# Altium PCB Arduino_DUE_V02c.PcbDoc
Units mil, origin at the board's own origin, x right, y up, seen from the top; angles counter-clockwise.
Board outline 3937.01 x 2086.61 mil, 2 copper layers (Top Layer, Bottom Layer); 79 components, 131 nets, 304 pads, 46 vias.
Unrouted connection lines stored in the file: 9.
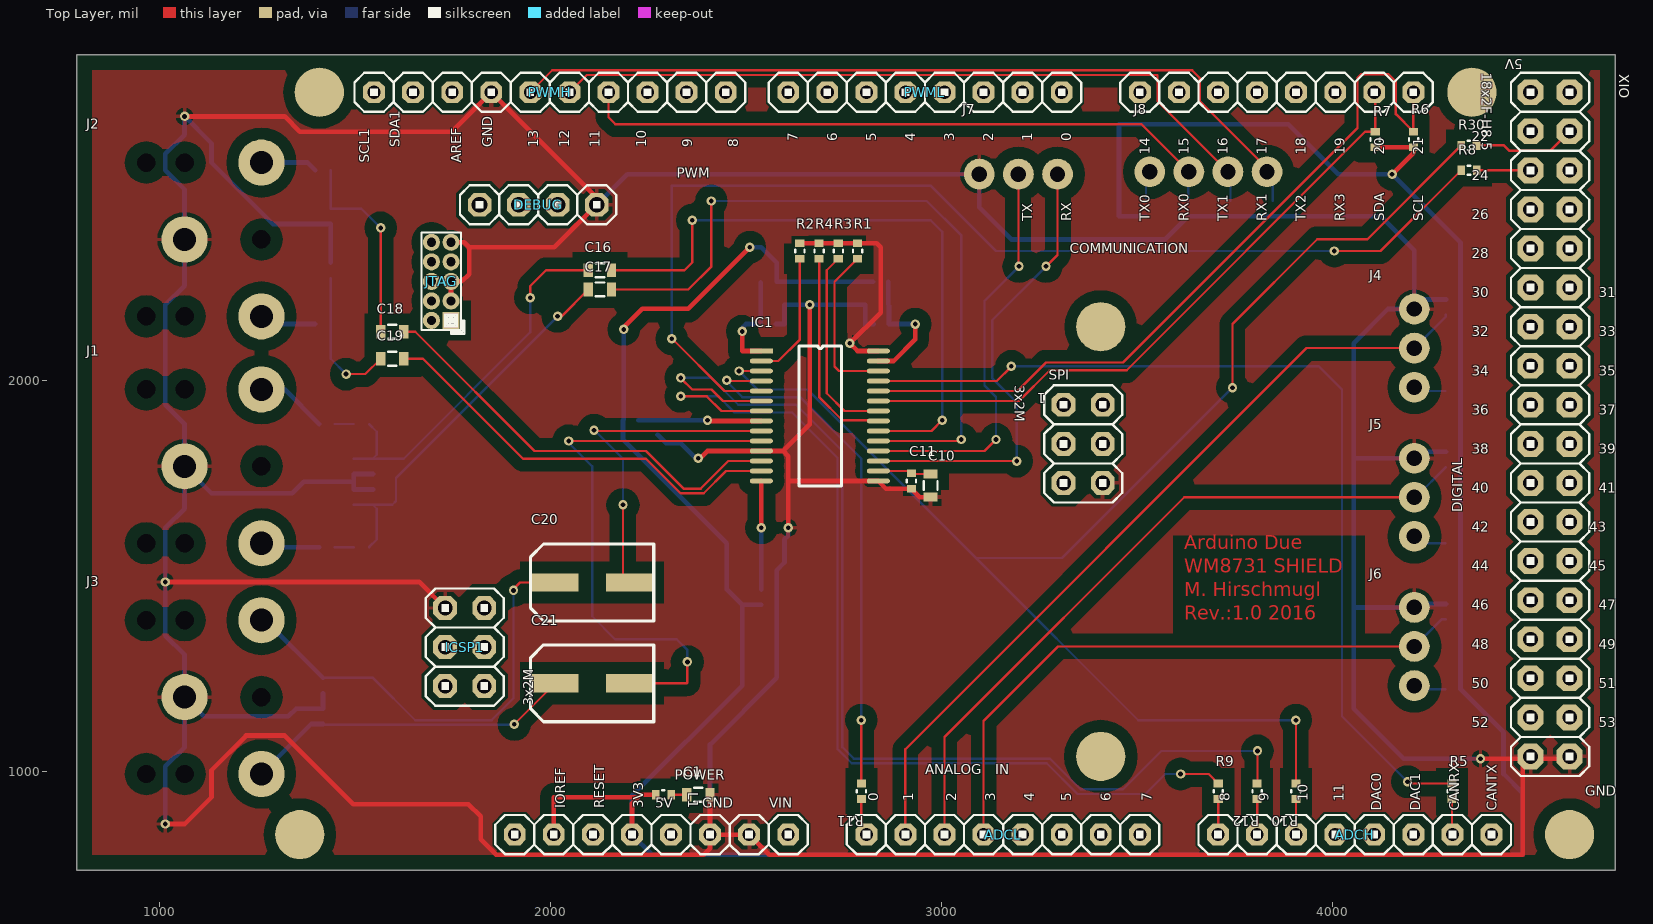
[diagram p0: Top Layer view]
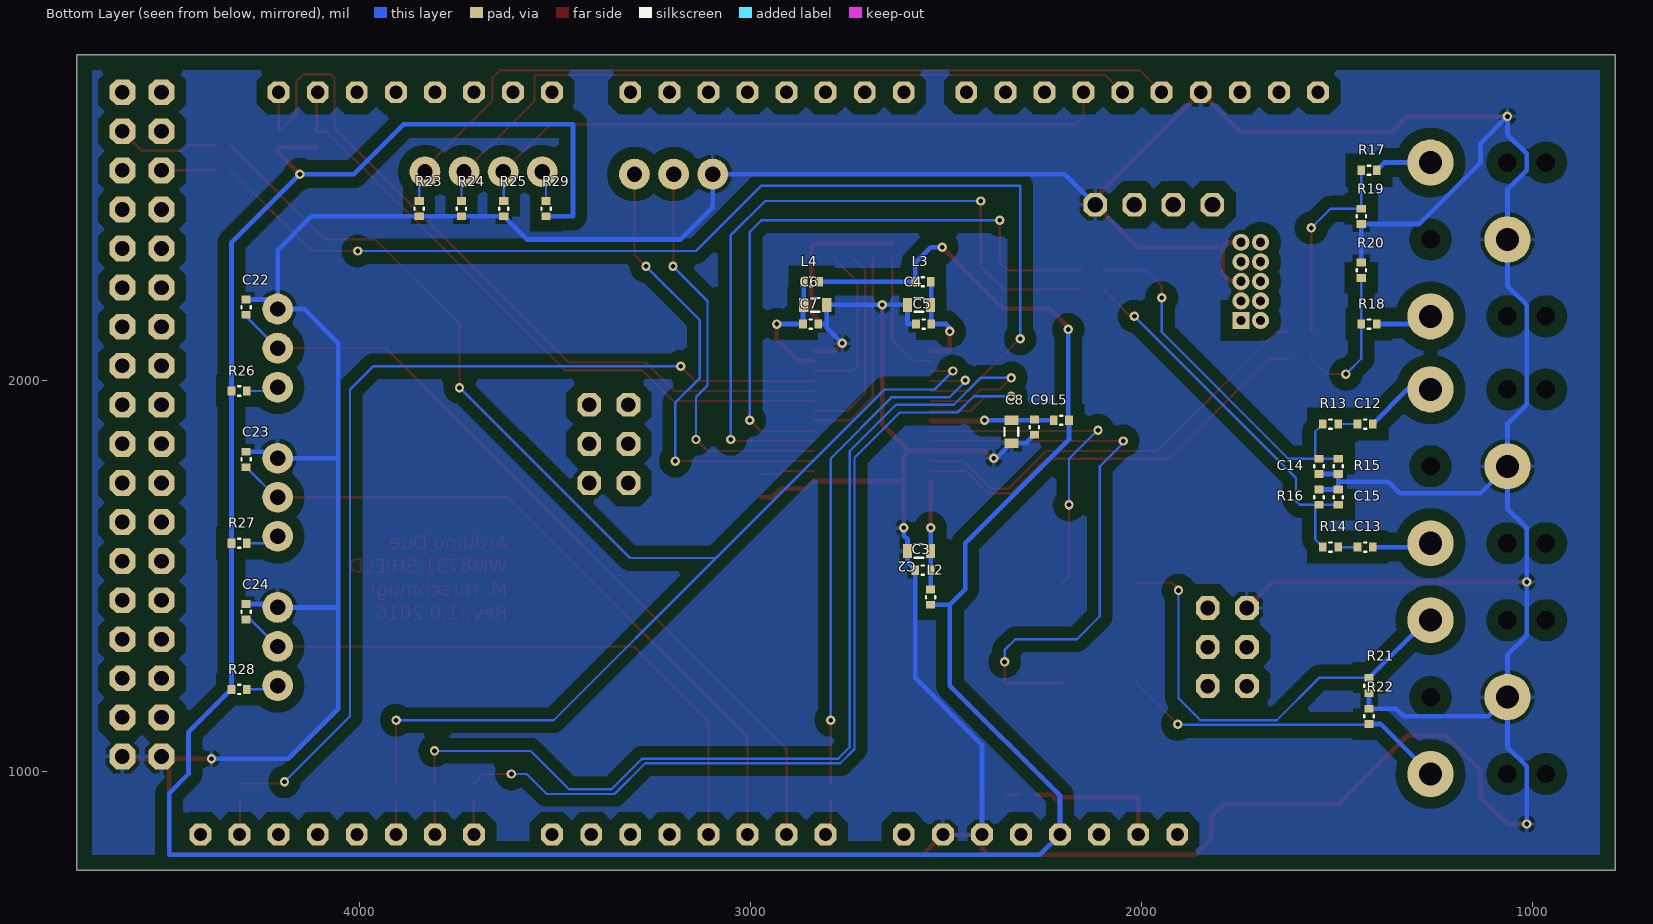
[diagram p1: Bottom Layer view, seen from below]
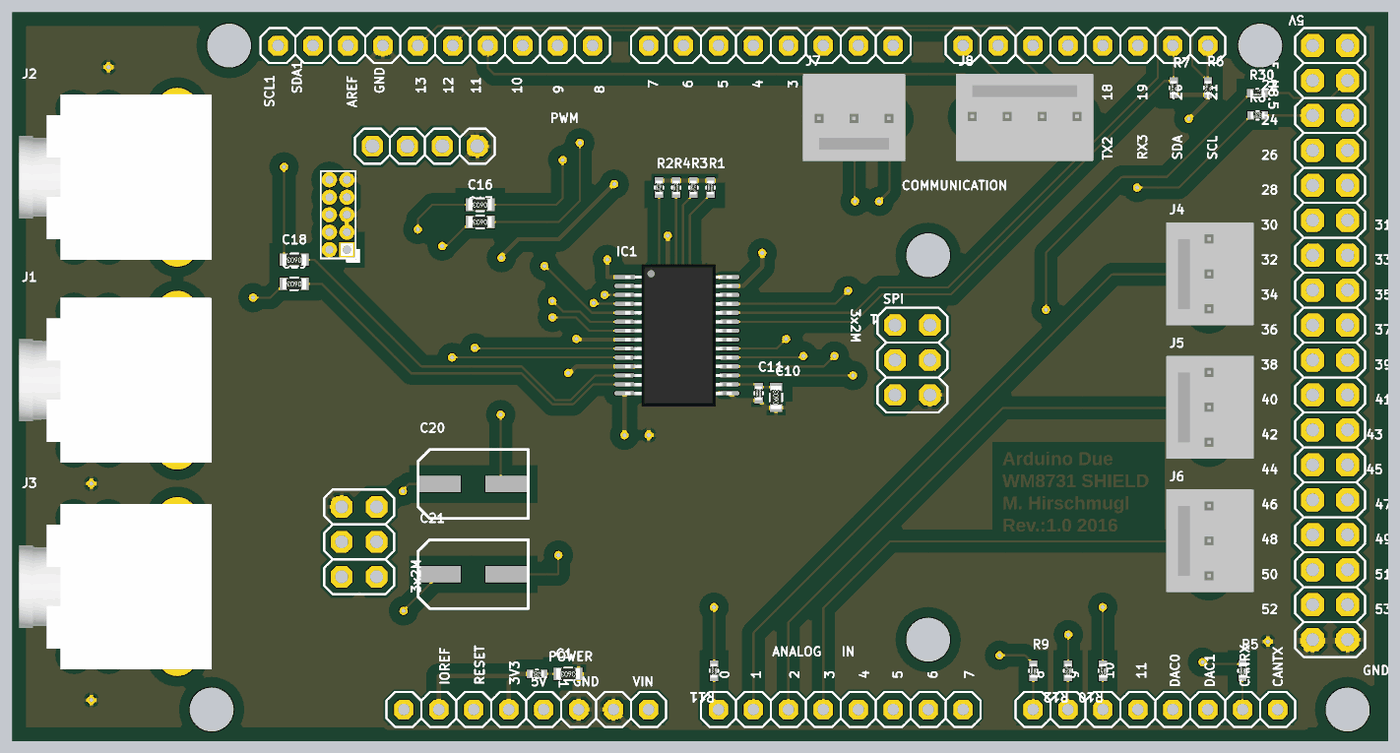
[diagram p2: 3D render of the assembled board from above, using the file's embedded part models]
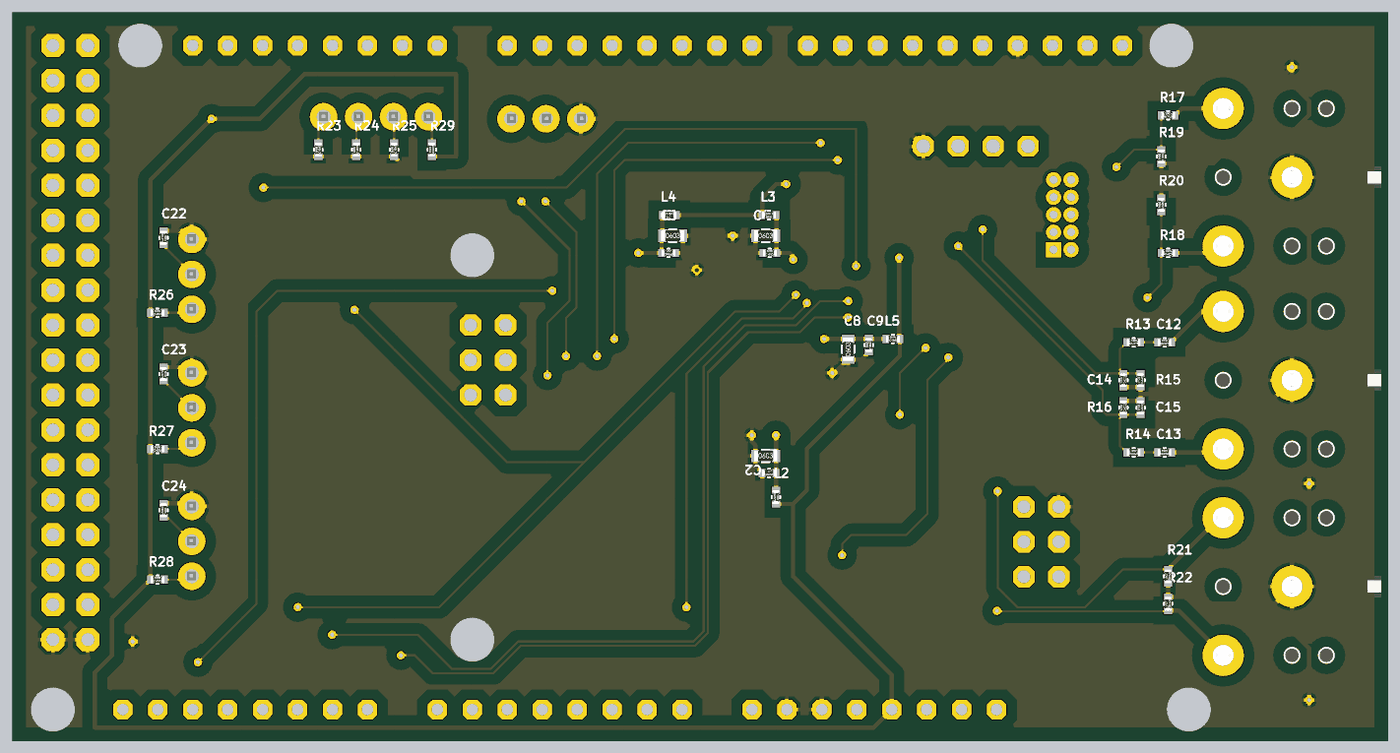
[diagram p3: 3D render of the assembled board from below, using the file's embedded part models]

## Layer stack, top to bottom
Top Layer: signal copper 1.4
Dielectric1: core 12.6, FR-4, Dk 4.8
Bottom Layer: signal copper 1.4

## Board outline
787.4,748.03 4724.41,748.03 4724.41,2834.65 787.4,2834.65

## Design rules (kind name [scope] priority, off if disabled: settings)
Clearance "Clearance GND Plane" [All] p1: gap=30
Clearance [All] p2: gap=6
ComponentClearance [All] p1: gap=12 collisioncheckmode=3 verticalgap=12 showdistances=FALSE
DiffPairsRouting [All] p1: maxlimit=393.7 minlimit=4.92 mostfreqgap=5.91 toplayer_minwidth=15 toplayer_maxwidth=15 toplayer_prefwidth=15 bottomlayer_minwidth=15 bottomlayer_maxwidth=15 bottomlayer_prefwidth=15 maxuncoupledlength=500
FabricationTestPointUsage FabricationTestPointUsage_1 [All] p1: valid=0 allowmultiple=FALSE
FabricationTestpoint FabricationTestpoint_1 [All] p1: side=3 testpointundercomponent=TRUE minsize=40 maxsize=100 preferedsize=60 minholesize=0 maxholesize=40 preferedholesize=32 testpointgrid=1 allowsidetop=TRUE allowsidebottom=TRUE usegrid=TRUE gridtolerance=0.01
HoleSize [All] p1: absolutevalues=TRUE maxlimit=236.22 minlimit=12 maxpercent=80.000 minpercent=20.000
HoleSize FabricationTestpoint [All] p2 off: absolutevalues=TRUE maxlimit=100 minlimit=1 maxpercent=80.000 minpercent=20.000
HoleSize FabricationTestPointUsage [All] p3 off: absolutevalues=TRUE maxlimit=100 minlimit=1 maxpercent=80.000 minpercent=20.000
HoleToHoleClearance [All] p1: gap=12 allowstackedmicrovias=TRUE
PlaneConnect [All] p1: planeconnectstyle=Relief reliefexpansion=16 reliefentries=4 reliefconductorwidth=10 reliefairgap=10
PolygonConnect [All] p1: connectstyle=Relief reliefconductorwidth=10 reliefentries=4 polygonreliefangle="90 Angle" airgapwidth=10
RoutingCorners [All] p1: cornerstyle=45-Degree minsetback=49.21 maxsetback=49.21
RoutingVias [All] p1: holewidth=12 width=24 viastyle="Through Hole" minholewidth=12 minwidth=24 maxholewidth=12 maxwidth=24
SolderMaskExpansion [All] p1: expansion=2.95
Width "Power Nets" [(InNet('1_DBVDD') OR InNet('+3V3') OR InNet('+5V') OR InNet('8_HPVDD') OR InNet('11_HPGND') OR InNet('14_AVDD') OR InNet('27_DCVDD'))] p1: maxlimit=12 minlimit=12 preferedwidth=12
Width [All] p2: maxlimit=10 minlimit=6 preferedwidth=8
22 further rules are at their usual default settings.

## Components (designator, comment, footprint, x,y, rotation, side; value= is the part's Value field where it differs from the comment)
ADCH "8x1F-H8.5" 1X08 4057.98,839 r0 top
ADCL "8x1F-H8.5" 1X08 3157.98,839 r0 top
C1 "Cap" 0603_s 2377.95,940.94 r180 top
C2 "Cap" 0603_s 2568.9,1564.96 r180 bottom
C3 "Capacitor" 0402_s 2559.06,1515.75 r180 bottom
C4 "Cap" 0603_s 2568.9,2194.88 r180 bottom
C5 "Capacitor" 0402_s 2557.09,2145.67 r180 bottom
C6 "Cap" 0603_s 2834.65,2194.88 r180 bottom
C7 "Capacitor" 0402_s 2846.46,2145.67 r180 bottom
C8 "Cap" 0603_s 2332.68,1870.08 r90 bottom
C9 "Capacitor" 0402_s 2273.62,1881.89 r90 bottom
C10 "Cap" 0603_s 2972.44,1732.28 r90 top
C11 "Capacitor" 0402_s 2923.23,1744.09 r90 top
C12 "Capacitor" 0402_s 1427.17,1889.76 r180 bottom
C13 "Capacitor" 0402_s 1427.17,1574.8 r180 bottom
C14 "Capacitor" 0402_s 1545.28,1781.5 r90 bottom
C15 "Capacitor" 0402_s 1496.06,1702.76 r90 bottom
C16 "Cap" 0603_s 2125.98,2283.46 r180 top
C17 "Cap" 0603_s 2125.98,2234.25 r180 top
C18 "Cap" 0603_s 1594.49,2125.98 r180 top
C19 "Cap" 0603_s 1594.49,2057.09 r180 top
C20 "Capacitor" EEEFK0J221P 2106.3,1484.25 r180 top
C21 "Capacitor" EEEFK0J221P 2106.3,1226.35 r180 top
C22 "Capacitor" 0402_s 4291.34,2188.98 r270 bottom
C23 "Capacitor" 0402_s 4291.34,1799.21 r270 bottom
C24 "Capacitor" 0402_s 4291.34,1409.45 r270 bottom
COMMUNICATION "8x1F-H8.5" 1X08 3857.98,2739 r0 top
DEBUG "STRIP 4x1V M" 1X04 1967.98,2451 r180 top
IC1 "WM8731" SSOP28 2539.37,2076.77 r0 top
ICSP1 "3x2M" 2X03 1779.98,1319 r90 top
J1 "FC68131" FC68131 1062.99,1781.5 r0 top
J2 "FC68131" FC68131 1062.99,2362.2 r0 top
J3 "FC68131" FC68131 1062.99,1190.94 r0 top
J4 "MOLEX_3" 254_3 4210.63,1984.25 r90 top
J5 "MOLEX_3" 254_3 4210.63,1602.36 r90 top
J6 "MOLEX_3" 254_3 4210.63,1220.47 r90 top
J7 "MOLEX_3" 254_3 3297.24,2529.53 r180 top
J8 "MOLEX_4" 254_4 3533.46,2535.43 r0 top
JTAG "*" PINHEAD_2X05_127 1719.98,2255 r180 top
L1 "" 0402_S 2288.58,940.94 r180 top
L2 "" 0402_S 2539.37,1446.85 r270 bottom
L3 "" 0402_S 2559.06,2253.94 r0 bottom
L4 "" 0402_S 2844.49,2253.94 r0 bottom
L5 "" 0402_S 2204.72,1899.61 r180 bottom
POWER "8x1F-H8.5" 1X08 2257.98,839 r0 top
PWMH "10x1F-H8.5" 1X10 1997.98,2739 r180 top
PWML "8x1F-H8.5" 1X08 2957.98,2739 r180 top
R1 "" 0402_s 2785.43,2332.68 r90 top
R2 "" 0402_s 2637.8,2332.68 r90 top
R3 "" 0402_s 2736.22,2332.68 r90 top
R4 "" 0402_s 2687.01,2332.68 r90 top
R5 "" 0402_s 4307.09,950 r270 top
R6 "" 0402_s 4208.66,2618.11 r270 top
R7 "" 0402_s 4110.24,2618.11 r270 top
R8 "" 0402_s 4350.39,2539.37 r0 top
R9 "" 0402_s 3708.66,950 r270 top
R10 "" 0402_s 3907.48,950 r270 top
R11 "" 0402_s 2795.28,950 r270 top
R12 "" 0402_s 3808.07,950 r270 top
R13 "" 0402_s 1515.75,1889.76 r180 bottom
R14 "" 0402_s 1515.75,1574.8 r180 bottom
R15 "" 0402_s 1496.06,1781.5 r90 bottom
R16 "" 0402_s 1545.28,1702.76 r90 bottom
R17 "" 0402_s 1417.32,2539.37 r180 bottom
R18 "" 0402_s 1417.32,2145.67 r180 bottom
R19 "" 0402_s 1437.01,2421.26 r90 bottom
R20 "" 0402_s 1437.01,2283.46 r90 bottom
R21 "" 0402_s 1417.32,1220.47 r90 bottom
R22 "" 0402_s 1417.32,1141.73 r90 bottom
R23 "" 0402_s 3848.43,2440.94 r90 bottom
R24 "" 0402_s 3740.16,2440.94 r90 bottom
R25 "" 0402_s 3631.89,2440.94 r90 bottom
R26 "" 0402_s 4309.06,1974.41 r180 bottom
R27 "" 0402_s 4309.06,1584.65 r180 bottom
R28 "" 0402_s 4309.06,1210.63 r180 bottom
R29 "" 0402_s 3523.62,2440.94 r90 bottom
R30 "" 0402_s 4350,2603 r0 top
SPI "3x2M" 2X03 3362.98,1839 r270 top
XIO "18x2F-H8.5" 2X18 4557.98,1889 r270 top

## Footprints (in the part's own frame and the unit in brackets; to place one, negate y for a bottom-side part, rotate by r counter-clockwise, add the part's x,y. Pads: shape width x height; smd on the part's side, far side on the other; paste and mask are expansions set on the pad)
1X04 [mil]
  oct 60x60 hole 40: 1(-150,0) 2(-50,0) 3(50,0) 4(150,0)
  silkscreen extent -200,-50 200,50
1X08 [mil]
  oct 56x56 hole 33.46: 1(-350,0) 2(-250,0) 3(-150,0) 4(-50,0) 5(50,0) 6(150,0) 7(250,0) 8(350,0)
  silkscreen extent -400,-50 400,50
1X10 [mil]
  oct 56x56 hole 33.46: 1(-450,0) 2(-350,0) 3(-250,0) 4(-150,0) 5(-50,0) 6(50,0) 7(150,0) 8(250,0) 9(350,0) 10(450,0)
  silkscreen extent -500,-50 500,50
2X03 [mm]
  oct 1.55x1.55 hole 0.95: 1(-2.54,-1.27) 2(-2.54,1.27) 3(0,-1.27) 4(0,1.27) 5(2.54,-1.27) 6(2.54,1.27)
  silkscreen extent -3.81,-2.54 3.81,2.54
2X18 [mil]
  oct 66x66 hole 37.4: 1(-850,-50) 2(-850,50) 3(-750,-50) 4(-750,50) 5(-650,-50) 6(-650,50) 7(-550,-50) 8(-550,50) 9(-450,-50) 10(-450,50) 11(-350,-50) 12(-350,50) 13(-250,-50) 14(-250,50) 15(-150,-50) 16(-150,50) 17(-50,-50) 18(-50,50) 19(50,-50) 20(50,50) 21(150,-50) 22(150,50) 23(250,-50) 24(250,50) 25(350,-50) 26(350,50) 27(450,-50) 28(450,50) 29(550,-50) 30(550,50) 31(650,-50) 32(650,50) 33(750,-50) 34(750,50) 35(850,-50) 36(850,50)
  silkscreen extent -900,-100 900,100
254_3 [mm]
  round 2 hole 1: 1(0,0) 2(2.54,0) 3(5.08,0)
  body extent -1.16,-3.27 6.31,3.08, height 11.03
254_4 [mm]
  round 2 hole 1: 1(0,0) 2(2.54,0) 3(5.08,0) 4(7.62,0)
  body extent -1.18,-3.22 8.83,3.13, height 11.03
0402_s [mm] "Standard 0402footprint, small"
  rect 0.5x0.6 smd: 1(-0.5,0) 2(0.5,0)
  silkscreen extent -0.08,-0.3 0.08,0.3, body extent -0.5,-0.25 0.5,0.25, height 0.35
0402_S [mm] "Standard 0402footprint, small"
  rect 0.5x0.6 smd: 1(-0.5,0) 2(0.5,0)
  silkscreen extent -0.08,-0.3 0.08,0.3, body extent -0.5,-0.25 0.5,0.25, height 0.35
0603_s [mm] "Standard 0603 footprint, small"
  rect 0.6x0.9 smd: 1(-0.75,0) 2(0.75,0)
  silkscreen extent -0.28,-0.45 0.28,0.45, body extent -0.85,-0.4 0.85,0.4, height 0.56
EEEFK0J221P [mm]
  rect 3x1.2 smd: 1(-2.4,0) 2(2.4,0)
  silkscreen extent -4,-2.5 4,2.5, body extent -3.12,-3.15 3.18,3.15, height 5.8
FC68131 [mm]
  round 3 hole 1.5: 1(0,0) 2(5,-5) 5(5,5)
  round 0 hole 1.2: ""(-2.5,-5) ""(-2.5,5) ""(0,-5) ""(0,5) ""(5,0)
  body extent -6.5,-6 7.5,6, height 5.5
PINHEAD_2X05_127 [mm]
  rect 1.108x1.108 hole 0.6: 1(-0.635,2.54)
  round 1.108 hole 0.6: 2(0.635,2.54) 3(-0.635,1.27) 4(0.635,1.27) 5(-0.635,0) 6(0.635,0) 7(-0.635,-1.27) 8(0.635,-1.27) 9(-0.635,-2.54) 10(0.635,-2.54)
  silkscreen extent -1.52,-3.17 1.27,3.43
SSOP28 [mm]
  rect 1.5x0.3 smd: 1(0,0)
  oval 1.5x0.3 smd: 2(0,-0.65) 3(0,-1.3) 4(0,-1.95) 5(0,-2.6) 6(0,-3.25) 7(0,-3.9) 8(0,-4.55) 9(0,-5.2) 10(0,-5.85) 11(0,-6.5) 12(0,-7.15) 13(0,-7.8) 14(0,-8.45) 15(7.6,-8.45) 16(7.6,-7.8) 17(7.6,-7.15) 18(7.6,-6.5) 19(7.6,-5.85) 20(7.6,-5.2) 21(7.6,-4.55) 22(7.6,-3.9) 23(7.6,-3.25) 24(7.6,-2.6) 25(7.6,-1.95) 26(7.6,-1.3) 27(7.6,-0.65) 28(7.6,0)
  silkscreen extent 2.43,-8.78 5.21,0.33, body extent 0.05,-9.4 7.8,0.93, height 2.15

## Part data
ADCH ADCL COMMUNICATION POWER PWML: library part PINHD-1X8
C3 C5 C7 C9 C11 C12 C13 C14 C15 C20 C21 C22 C23 C24: library part EA00008430
DEBUG: library part PINHD-1X4
ICSP1 SPI: library part PINHD-2X3
JTAG: library part PINHEAD_PINHD-2X5PASSO127
L1 L2 L3 L4 L5: library part EA00008563
PWMH: library part PINHD-1X10
R1 R2 R3 R4 R5 R6 R7 R8 R9 R10 R11 R12 R13 R14 R15 R16 R17 R18 R19 R20 R21 R22 R23 R24 R25 R26 R27 R28 R29 R30: library part EA00008473
XIO: library part PINHD-2X18

## Free pads (board coordinates)
  round 125.98 smd: ""(1357.98,839) ""(1407.98,2739) ""(3407.98,1039) ""(3407.98,2139) ""(4357.98,2739) ""(4607.98,839)

## Via types
v1: diameter 24, hole 12, Top Layer to Bottom Layer, 46 vias

## Nets (pads, with @x,y where several pads share a name; then routed paths per layer and width w, separated by ;. In a path a pad name is that pad's centre, name@x,y a point inside that pad or via, vN(x,y) a via of type N, cw(c..) or ccw(c..) an arc to the next point about the centre after c; other vN are vias at no path point)
1_DBVDD: C4.2 C5.2 IC1.1 L3.1 | length 265.9
  Top Layer w12: v1(2490.16,2126.84) 2490.16,2076.77 IC1.1
  Bottom Layer w12: v1(2490.16,2126.84) 2490.16,2135.83 2500,2145.67 C5.2 L3.1@2537.4,2251.97
2_CLKOUT: IC1.2 R2.1 | length 327.9
  Top Layer w6: IC1.2 2582.68,2051.18 2637.8,2106.3 R2.1
3_BCLK: IC1.3 R10.1 R30.1 | length 3789
  Top Layer w6: v1(2482.28,2025.59) IC1.3 ; v1(3745,1983) 3745,2146 3962,2363 4090.32,2363 R30.1 ; R10.1 v1(3907.48,1131.89)
  Bottom Layer w6: v1(2482.28,2025.59) 2529.53,1978.35 2657.48,1978.35 3089,1546.83 ; v1(3745,1983) 3308.83,1546.83 3089,1546.83 ; v1(3907.48,1131.89) 3503.94,1131.89 3089,1546.83
4_DACDAT: IC1.4 R11.1 | length 1355.2
  Top Layer w6: v1(2451,2002.18) 2448.82,2000 IC1.4 ; R11.1 v1(2795.28,1131.89)
  Bottom Layer w6: v1(2451,2002.18) 2451,1997.82 2490.16,1958.66 2637.8,1958.66 2795.28,1801.18 v1(2795.28,1131.89)
5_DACLRC: IC1.5 R8.1 | length 2852.3
  Top Layer w6: v1(2310,2108) 2311.29,2108 2444.88,1974.41 IC1.5 ; v1(4005.91,2332.68) 4124.02,2332.68 R8.1
  Bottom Layer w6: v1(2310,2108) 2310,2500 2972.44,2500 3139.76,2332.68 v1(4005.91,2332.68)
6_ADCDAT: IC1.6 R12.1 | length 2711
  Top Layer w6: v1(2332.68,2007.87) 2362.2,1978.35 2411.42,1978.35 2440.95,1948.82 IC1.6 ; R12.1@3809.06,970.67 v1(3809.06,1053.15)
  Bottom Layer w6: v1(2332.68,2007.87) 2411.42,2007.87 2480.32,1938.98 2627.95,1938.98 2746.06,1820.87 2746.06,1062.99 2775.59,1033.46 3278,1033.46 3278,1033.02 3356.02,955 3464.84,955 3562.99,1053.15 v1(3809.06,1053.15)
7_ADCLRC: IC1.7 R9.1 | length 2487.2
  Top Layer w6: v1(2333,1961) 2399.24,1961 2437.01,1923.23 IC1.7 ; v1(3612.2,994.09) 3684.25,994.09 R9.1
  Bottom Layer w6: v1(2333,1961) 2428.76,1961 2470.47,1919.29 2618.11,1919.29 2734.06,1803.34 2734.06,1058.02 2770.62,1021.46 3269.87,1021.46 3348.34,943 3521.74,943 3572.83,994.09 v1(3612.2,994.09)
8_HPVDD: C8.2 C9.2 IC1.8 L5.1 | length 313
  Top Layer w12: v1@2403.54,1897.64 IC1.8
  Bottom Layer w12: L5.1 C8.2 v1(2401.57,1899.61)
9_LHPOUT: C20.1 IC1.9 | length 866.7
  Top Layer w6: v1(2111,1874) 2112.95,1872.05 IC1.9 ; v1(2185.04,1683.07) 2185.04,1500 C20.1
  Bottom Layer w6: v1(2111,1874) 2112.22,1874 2185.04,1801.18 v1(2185.04,1683.07) v1@2185.04,1673.23
10_RHPOUT: C21.1 IC1.10 | length 1479.9
  Top Layer w6: v1(2046,1846.46) IC1.10 ; C21.1 2348.4,1226.35 2350,1227.95 v1(2350,1281)
  Bottom Layer w6: v1(2046,1846.46) 2046,1841.8 2106.3,1781.5 2106.3,1397.64 2165.35,1338.58 2322.83,1338.58 2350,1311.42 v1(2350,1281)
11_HPGND: C1.1 C2.1 C3.1 C4.1 C5.1 C6.2 C7.2 C8.1 C9.1 C10.1 C11.1 C14.1 C15.2 C22.1 C23.1 C24.1 DEBUG.1 IC1.11 IC1.15 IC1.28 ICSP1.6 J1.1 J2.1 J3.1 J4.3 J5.3 J6.3 J7.3 JTAG.3 JTAG.5 JTAG.9 POWER.6 POWER.7 PWMH.7 R1.2 R2.2 R3.2 R4.2 R15.1 R16.2 R19.1 R20.2 R21.1 R22.2 R23.1 R24.1 R25.1 SPI.6 XIO.35 XIO.36 | length 18279.2
  Top Layer w12: v1(1013.78,866.14) 1062.99,866.14 1131.89,935.04 1131.89,1003.94 1220.47,1092.52 1318.9,1092.52 1494.38,917.04 1789.65,917.04 1820.87,885.83 1820.87,826.77 1860.24,787.4 2391.73,787.4 2407.98,803.65 POWER.6 ; v1(1013.78,1485.59) 1663.39,1485.59 ICSP1.6 ; v1(1062.99,2677.17) 1318.9,2677.17 1358.27,2637.8 1746.78,2637.8 PWMH.7 DEBUG.1@2117.98,2469 ; JTAG.3 JTAG.5 1772.72,2255 1791.34,2273.62 1791.34,2342.52 ; JTAG.9 1778.86,2355 1791.34,2342.52 ; DEBUG.1 2009.5,2342.52 1791.34,2342.52 ; v1(2378,1802) 2382.71,1802 2401.57,1820.87 IC1.11 2595.13,1820.87 ; C1.1@2407.98,940.45 POWER.6 ; v1(2608.27,1624.02) 2608.27,1742.13 ; R2.2 R4.2 R1.2 2834.65,2352.36 2844.49,2342.52 2844.49,2175.2 v1(2765.75,2096.46) 2785.43,2076.77 IC1.28 ; v1(2663,2194.88) 2663,1888.73 2595.13,1820.87 ; C10.1 2944.88,1702.76 C11.1 2858.27,1724.41 IC1.15 2610.24,1744.09 2608.27,1742.13 ; v1(4379.92,1033.46) XIO.36@4602.44,1033.46 ; XIO.35@4488.19,1019.21 4488.19,787.4 2559.58,787.4 POWER.7 POWER.6 ; 2595.13,1820.87 2608.27,1807.73 2608.27,1742.13
  Bottom Layer w12: v1(1013.78,866.14) 1013.78,1013.78 1062.99,1062.99 J3.1 ; R21.1 R22.2 1348.43,1161.42 1328.74,1141.73 1112.2,1141.73 J3.1 ; R20.2 R19.1 1289.37,2401.57 1131.89,2559.06 1131.89,2608.27 v1(1062.99,2677.17) 1062.99,2630.3 1013.78,2581.09 1013.78,2539.37 1062.99,2490.16 J2.1 1062.99,2244.09 1013.78,2194.88 1013.78,1938.98 1062.99,1889.76 J1.1 ; R16.2 C15.2 1496.06,1742.13 ; C14.1 R15.1 1496.06,1742.13 ; DEBUG.1 2196.51,2529.53 J7.3 3097.24,2444.09 3179.13,2362.2 3572.83,2362.2 R25.1 R24.1 R23.1 4124.02,2421.26 4210.63,2334.65 J4.3 ; C9.1 2295.28,1840.55 C8.1 2371.23,1802 v1(2378,1802) ; POWER.6 2407.98,1069.4 2578.74,1240.16 C3.1 2598.43,1535.43 C2.1 2598.43,1594.49 2608.27,1604.33 v1(2608.27,1624.02) ; C5.1 2598.43,2145.67 C4.1 v1(2663,2194.88) C6.2 2805.12,2145.67 ; v1(2765.75,2096.46) 2805.12,2135.83 2805.12,2145.67 ; C7.2 2805.12,2145.67 ; 4056.3,1802.36 J5.3 4227.17,1818.9 C23.1 ; 4058.27,1420.47 J6.3 4219.29,1429.13 C24.1 ; C22.1 4235.04,2208.66 J4.3 ; v1(4379.92,1033.46) 4183.07,1033.46 4055.12,1161.42 4055.12,2096.46 4142.91,2184.25 J4.3 ; J3.1 1062.99,1299.21 1013.78,1348.43 1013.78,1624.02 1062.99,1673.23 J1.1 ; J1.1 1131.89,1712.6 1338.58,1712.6 1368.11,1742.13 1496.06,1742.13
12_LOUT: C18.1 IC1.12 | length 1110.9
  Top Layer w6: C18.1 1653.54,2125.98 1958.66,1820.87 2244.09,1820.87 2340.36,1724.6 2384.05,1724.6 2454.72,1795.28 IC1.12
13_ROUT: C19.1 IC1.13 | length 1081.7
  Top Layer w6: C19.1 1673.23,2057.09 1929.13,1801.18 2244.09,1801.18 2332.68,1712.6 2391.73,1712.6 2448.82,1769.68 IC1.13
14_AVDD: C2.2 C3.2 IC1.14 L2.1 | length 277.6
  Top Layer w12: v1(2539.37,1624.02) IC1.14
  Bottom Layer w12: L2.1 C2.2 v1(2539.37,1624.02)
16_VMID: C10.2 C11.2 IC1.16 | length 137.1
  Top Layer w6: IC1.16 2917.32,1769.68 C11.2 2925.2,1761.81 C10.2
17_MICBIAS: IC1.17 J7.1 | length 1184.1
  Top Layer w6: IC1.17 v1@3192.72,1795.28 ; v1(3267.72,2293.31) 3297.24,2322.83 J7.1
  Bottom Layer w6: v1(3193,1795) 3193,1944.8 3129.92,2007.87 3129.92,2155.51 v1(3267.72,2293.31)
18_MICIN: IC1.18 J7.2 | length 1039.9
  Top Layer w6: IC1.18 3110.24,1820.87 v1(3139.76,1850.39) ; v1@3197.24,2294.88 J7.2
  Bottom Layer w6: v1(3139.76,1850.39) 3139.76,1958.66 3110.24,1988.19 3110.24,2204.72 v1(3198.82,2293.31)
19_RLINEIN: C17.1 IC1.19 | length 1860
  Top Layer w6: C17.1 2352.36,2234.25 2411.42,2293.31 v1(2411.42,2460.63) ; IC1.19 3047.24,1846.46 v1(3051.18,1850.39)
  Bottom Layer w6: v1(2411.42,2460.63) 2962.6,2460.63 3051.18,2372.05 v1(3051.18,1850.39)
20_LLINEIN: C16.1 IC1.20 | length 1632.2
  Top Layer w6: C16.1 2342.52,2283.46 2362.2,2303.15 v1(2362.2,2411.42) ; IC1.20 2974.41,1872.05 v1(3001.97,1899.61)
  Bottom Layer w6: v1(2362.2,2411.42) 2972.44,2411.42 3001.97,2381.89 v1(3001.97,1899.61)
21_MODE: IC1.21 R4.1 | length 531.2
  Top Layer w6: R4.1 2687.01,1958.66 2746.06,1899.61 2836.61,1899.61 IC1.21
22_CSB: IC1.22 R3.1 | length 507.4
  Top Layer w6: R3.1 2706.69,2283.46 2706.69,1968.5 2751.97,1923.23 IC1.22
23_SDIN: COMMUNICATION.7 IC1.23 R7.1 | length 1656
  Top Layer w6: IC1.23 3198.82,1948.82 3277.56,2027.56 3474.41,2027.56 4084.65,2637.8 R7.1 COMMUNICATION.7@4110.24,2736.74
24_SCLK: COMMUNICATION.8 IC1.24 R6.1 | length 1990.1
  Top Layer w6: IC1.24 3194.88,1974.41 3267.72,2047.24 3464.57,2047.24 4064.96,2647.64 4064.96,2775.59 4074.8,2785.43 4143.7,2785.43 4163.39,2765.75 4163.39,2683.07 4207.98,2638.48 COMMUNICATION.8
25_XTI/MCLK: IC1.25 R5.1 | length 2416.3
  Top Layer w6: IC1.25 3141.73,2000 v1(3179.13,2037.4) ; v1(4192.91,974.41) 4197.64,969.68 R5.1
  Bottom Layer w6: v1(3179.13,2037.4) 3966.54,2037.4 4025.59,1978.35 4025.59,1141.73 v1(4192.91,974.41)
26_XTO: IC1.26 R1.1 | length 417.1
  Top Layer w6: R1.1 2726.38,2253.94 2726.38,2037.4 2738.19,2025.59 IC1.26
27_DCVDD: C6.1 C7.1 IC1.27 L4.2 | length 329.9
  Top Layer w12: IC1.27 2877.95,2051.18 2933.07,2106.3 v1(2933.07,2145.67)
  Bottom Layer w12: C6.1 L4.2 ; C6.1@2866.14,2192.91 C7.1 v1(2933.07,2145.67)
+3V3: JTAG.1 L1.2 L2.2 L3.2 L4.1 L5.2 POWER.2 POWER.4 R6.2 R7.2 R26.1 R27.1 R28.1 R29.1 | length 8263.2
  Top Layer w12: POWER.2 2007.98,934.93 2224.3,934.93 2207.98,918.61 POWER.4 ; v1(2187,2132) 2187,2137.79 2234.25,2185.04 2352.36,2185.04 v1(2509.84,2342.52) ; 2230.32,940.94 L1.2 ; R7.2 R6.2 4208.66,2584.65 v1(4153.54,2529.53)
  Bottom Layer w12: v1(2187,2132) 2187,1901.57 L5.2 2185.04,1850.39 2450.79,1584.65 2450.79,1466.54 2490.16,1427.17 ; v1(2509.84,2342.52) 2539.37,2342.52 2578.74,2303.15 L3.2 L4.1 ; L2.2 2490.16,1427.17 ; R29.1 3454.72,2421.26 3454.72,2657.48 3887.8,2657.48 4015.75,2529.53 v1(4153.54,2529.53) 4328.74,2354.33 R26.1 R27.1 R28.1 4438.98,1100.39 4438.98,994.09 4488.19,944.88 4488.19,787.4 2259.58,787.4 POWER.4 2207.98,938.29 2490.16,1220.47 2490.16,1427.17
+5V: ICSP1.2 POWER.5 SPI.2 XIO.1 XIO.2
AD0: ADCL.1 R11.2 | length 78.6
  Top Layer w6: ADCL.1@2795.28,851.7 R11.2
AD1: ADCL.2 C22.2 J4.2 | length 2065
  Top Layer w6: ADCL.2 2907.98,1057.59 3934.65,2084.25 J4.2
  Bottom Layer w6: J4.2 4291.34,2164.96 C22.2
AD2: ADCL.3 C23.2 J5.2 | length 1819.2
  Top Layer w6: ADCL.3 3007.98,1088.69 3621.65,1702.36 J5.2
  Bottom Layer w6: J5.2 4214.17,1702.36 C23.2
AD3: ADCL.4 C24.2 J6.2 | length 1581.7
  Top Layer w6: ADCL.4 3107.98,1129.63 3298.82,1320.47 J6.2
  Bottom Layer w6: J6.2 4279.92,1389.76 C24.2
AD4: ADCL.5
AD5: ADCL.6
AD6: ADCL.7
AD7: ADCL.8
AD8: ADCH.1 R9.2 | length 90.6
  Top Layer w6: ADCH.1@3708.66,839.68 R9.2
AD9: ADCH.2 R12.2 | length 91.2
  Top Layer w6: ADCH.2@3808.07,839.09 R12.2
AD10: ADCH.3 R10.2 | length 90.8
  Top Layer w6: ADCH.3@3907.48,839.5 R10.2
AD11(TXD3): ADCH.4
AD14(RXD3): XIO.33
AREF: PWMH.8
CANRX0: ADCH.7 R5.2 | length 91.7
  Top Layer w6: R5.2 4307.09,839.89 ADCH.7
CANTX0: ADCH.8
CANTX1/IO: XIO.34
DAC0(CANRX1): ADCH.5
DAC1: ADCH.6
JTAG_RESET: JTAG.10
JTAG_TCK: DEBUG.2 JTAG.4
JTAG_TDI: JTAG.8
JTAG_TDO: JTAG.6
JTAG_TMS: DEBUG.3 JTAG.2
MASTER-RESET: DEBUG.4 POWER.3 SPI.5
MISO: SPI.1
MISO2: ICSP1.1
MOSI: SPI.4
MOSI2: ICSP1.4
NetC1_2: C1.2 L1.1 | length 40.2
  Top Layer w6: L1.1 C1.2
NetC12_1: C12.1 R13.2 | length 49.2
  Bottom Layer w6: C12.1 R13.2
NetC12_2: C12.2 J1.5 | length 184.3
  Bottom Layer w6: J1.5 1318.9,1978.35
  Bottom Layer w12: 1318.9,1978.35 C12.2
NetC13_1: C13.1 R14.2 | length 49.2
  Bottom Layer w6: C13.1 R14.2
NetC13_2: C13.2 J1.2 | length 151.7
  Bottom Layer w6: J1.2 J1.2@1269.68,1574.8
  Bottom Layer w12: J1.2@1269.68,1574.8 C13.2
NetC14_2: C14.2 C16.2 R13.1 R15.2 | length 970.2
  Top Layer w6: v1(1948,2213) 1948,2243.28 1988.19,2283.46 C16.2
  Bottom Layer w6: R15.2 C14.2 ; R13.1 1555.12,1870.08 1555.12,1811.02 C14.2 ; v1(1948,2213) 1948,2125.17 1624.02,1801.18 C14.2
NetC15_1: C15.1 C17.2 R14.1 R16.1 | length 983.8
  Top Layer w6: v1(2017.72,2165.35) 2027.56,2165.35 C17.2
  Bottom Layer w6: C15.1 R16.1 ; R14.1 1555.12,1594.49 1555.12,1673.23 R16.1 ; v1(2017.72,2165.35) 1604.33,1751.97 1604.33,1692.91 1594.49,1683.07 R16.1
NetC18_2: C18.2 R17.1 R19.2 | length 512.5
  Top Layer w6: C18.2 v1(1564.96,2391.73)
  Bottom Layer w6: R17.1 R19.2 1515.75,2440.94 v1(1564.96,2391.73)
NetC19_2: C19.2 R18.1 R20.1 | length 367.3
  Top Layer w6: v1(1476.38,2017.72) 1525.59,2017.72 C19.2
  Bottom Layer w6: R20.1 R18.1 1437.01,2057.09 v1(1476.38,2017.72)
NetC20_2: C20.2 J3.5 R21.2 | length 1167.9
  Top Layer w6: v1(1905,1464) 1905,1467.99 1921.26,1484.25 C20.2
  Bottom Layer w6: J3.5 J3.5@1269.68,1387.8 ; R21.2 1545.28,1240.16 1653.54,1131.89 1848.89,1131.89 1905,1188 v1(1905,1464)
  Bottom Layer w12: J3.5@1269.68,1387.8 R21.2
NetC21_2: C21.2 J3.2 R22.1 | length 851.2
  Top Layer w6: v1(1907,1121.54) C21.2
  Bottom Layer w6: R22.1 1417.32,1119.89 1905.35,1119.89 v1(1907,1121.54)
  Bottom Layer w12: J3.2 1387.8,1122.05 R22.1
NetJ2_2: J2.2 R18.2 | length 145.9
  Bottom Layer w6: J2.2 J2.2@1279.53,2145.67
  Bottom Layer w12: J2.2@1279.53,2145.67 R18.2
NetJ2_5: J2.5 R17.2 | length 145.9
  Bottom Layer w12: J2.5 1377.95,2559.06 R17.2
NetJ4_1: J4.1 R26.2 | length 82.8
  Bottom Layer w6: J4.1 4220.47,1974.41 R26.2
NetJ5_1: J5.1 R27.2 | length 86.1
  Bottom Layer w6: J5.1 4228.35,1584.65 R27.2
NetJ6_1: J6.1 R28.2 | length 82.8
  Bottom Layer w6: J6.1 4220.47,1210.63 R28.2
NetJ8_1: J8.1 R29.2 | length 78.9
  Bottom Layer w6: R29.2 3523.62,2525.59 J8.1
NetPOWER_1: POWER.1
PIN22: XIO.3
PIN23: R30.2 XIO.4 | length 264.8
  Top Layer w6: R30.2 4440,2603 4454,2589 4557.98,2589 XIO.4
PIN24: R8.2 XIO.5 | length 138.1
  Top Layer w6: R8.2 4507.61,2539.37 XIO.5
PIN25: XIO.6
PIN26: XIO.7
PIN27: XIO.8
PIN28: XIO.9
PIN29: XIO.10
PIN30: XIO.11
PIN31: XIO.12
PIN32: XIO.13
PIN33: XIO.14
PIN34: XIO.15
PIN35: XIO.16
PIN36: XIO.17
PIN37: XIO.18
PIN38: XIO.19
PIN39: XIO.20
PIN40: XIO.21
PIN41: XIO.22
PIN42: XIO.23
PIN43: XIO.24
PIN44: XIO.25
PIN45: XIO.26
PIN46: XIO.27
PIN47: XIO.28
PIN48: XIO.29
PIN49: XIO.30
PIN50: XIO.31
PIN51: XIO.32
PWM2: PWML.3
PWM3: PWML.4
PWM5: PWML.6
PWM6: PWML.7
PWM7: PWML.8
PWM8: PWMH.1
PWM9: PWMH.2
PWM11: J8.2 PWMH.4 R25.2 | length 1682.8
  Top Layer w6: PWMH.4 2147.98,2674.85 2165.35,2657.48 3511.41,2657.48 J8.2
  Bottom Layer w6: R25.2 3631.89,2533.86 J8.2
PWM12: J8.3 PWMH.5 R24.2 | length 1923.6
  Top Layer w6: PWMH.5 2092.26,2783.28 3553.15,2783.28 3553.15,2715.74 J8.3
  Bottom Layer w6: J8.3 3740.16,2528.74 R24.2
PWM13: J8.4 PWMH.6 R23.2 | length 2137.3
  Top Layer w6: PWMH.6 2004.26,2795.28 3641.73,2795.28 3661.42,2775.59 3661.42,2716.54 3833.46,2544.49 J8.4
  Bottom Layer w6: J8.4 3848.43,2520.47 R23.2
RESET2: ICSP1.5
RX: PWML.1
RXD0: COMMUNICATION.2
RXD1: COMMUNICATION.4
RXD2: COMMUNICATION.6
SCK2: ICSP1.3
SCL1: PWMH.10
SDA1: PWMH.9
SPCK: SPI.3
SS0/PWM10: PWMH.3
SS1/PWM4: PWML.5
TX: PWML.2
TXD0: COMMUNICATION.1
TXD1: COMMUNICATION.3
TXD2: COMMUNICATION.5
VIN: POWER.8
pads on no net: J1. J2. J3. JTAG.7

## Polygon pours and split planes (outlines as drawn)
11_HPGND on Top Layer "GND_Plane" (solid, pour order 14): 826.77,787.4 826.77,2795.28 4685.04,2795.28 4685.04,787.4
11_HPGND on Bottom Layer "GND_Plane" (solid, pour order 16): 826.77,787.4 826.77,2795.28 4685.04,2795.28 4685.04,787.4

## Other copper
Top Layer:
  text "Arduino Due / WM8731 SHIELD / M. Hirschmugl / Rev.:1.0 2016" at 3622.05,1377.95 h60

## Silkscreen, mask and mechanical layers (free items; w line width, h text height)
Top Overlay 1:
  text "5V" at 4487.98,2824 h25 r180
  text "7" at 2632.98,2614 h25 r90
  text "6" at 2732.98,2614 h25 r90
  text "5" at 2832.98,2614 h25 r90
  text "4" at 2932.98,2614 h25 r90
  text "3" at 3032.98,2614 h25 r90
  text "2" at 3132.98,2614 h25 r90
  text "1" at 3232.98,2614 h25 r90
  text "0" at 3332.98,2614 h25 r90
  text "22" at 4357.98,2614 h25
  text "SDA1" at 1614.17,2598.43 h25 r90
  text "GND" at 1850.39,2598.43 h25 r90
  text "13" at 1968.5,2598.43 h25 r90
  text "12" at 2047.24,2598.43 h25 r90
  text "11" at 2125.98,2598.43 h25 r90
  text "10" at 2244.09,2598.43 h25 r90
  text "9" at 2362.2,2598.43 h25 r90
  text "8" at 2480.32,2598.43 h25 r90
  text "14" at 3532.98,2579 h25 r90
  text "15" at 3632.98,2579 h25 r90
  text "16" at 3732.98,2579 h25 r90
  text "17" at 3832.98,2579 h25 r90
  text "18" at 3932.98,2579 h25 r90
  text "19" at 4032.98,2579 h25 r90
  text "20" at 4132.98,2579 h25 r90
  text "21" at 4232.98,2579 h25 r90
  text "SCL1" at 1535.43,2559.06 h25 r90
  text "AREF" at 1771.65,2559.06 h25 r90
  text "PWM" at 2322.83,2519.68 h25
  text "24" at 4357.98,2514 h25
  text "26" at 4357.98,2414 h25
  text "TX" at 3232.98,2409 h25 r90
  text "RX" at 3332.98,2409 h25 r90
  text "TX0" at 3532.98,2409 h25 r90
  text "RX0" at 3632.98,2409 h25 r90
  text "TX1" at 3732.98,2409 h25 r90
  text "RX1" at 3832.98,2409 h25 r90
  text "TX2" at 3932.98,2409 h25 r90
  text "RX3" at 4032.98,2409 h25 r90
  text "SDA" at 4132.98,2409 h25 r90
  text "SCL" at 4232.98,2409 h25 r90
  text "28" at 4357.98,2314 h25
  text "30" at 4357.98,2214 h25
  text "31" at 4682.98,2214 h25
  text "32" at 4357.98,2114 h25
  text "33" at 4682.98,2114 h25
  text "34" at 4357.98,2014 h25
  text "35" at 4682.98,2014 h25
  text "1" at 3267.65,1968.52 h25 r180
  text "36" at 4357.98,1914 h25
  text "37" at 4682.98,1914 h25
  text "38" at 4357.98,1814 h25
  text "39" at 4682.98,1814 h25
  text "40" at 4357.98,1714 h25
  text "41" at 4682.98,1714 h25
  text "DIGITAL" at 4332.98,1664 h25 r90
  text "42" at 4357.98,1614 h25
  text "43" at 4657.98,1614 h25
  text "44" at 4357.98,1514 h25
  text "45" at 4657.98,1514 h25
  text "46" at 4357.98,1414 h25
  text "47" at 4682.98,1414 h25
  text "48" at 4357.98,1314 h25
  text "49" at 4682.98,1314 h25
  text "50" at 4357.98,1214 h25
  text "51" at 4682.98,1214 h25
  text "52" at 4357.98,1114 h25
  text "53" at 4682.98,1114 h25
  text "ANALOG   IN" at 2958.98,993 h25
  text "GND" at 4647.98,939 h25
  text "0" at 2837.98,924 h25 r90
  text "1" at 2927.98,924 h25 r90
  text "2" at 3037.98,924 h25 r90
  text "3" at 3137.98,924 h25 r90
  text "4" at 3237.98,924 h25 r90
  text "5" at 3332.98,924 h25 r90
  text "6" at 3432.98,924 h25 r90
  text "7" at 3537.98,924 h25 r90
  text "8" at 3737.98,924 h25 r90
  text "9" at 3837.98,924 h25 r90
  text "10" at 3937.98,924 h25 r90
  text "11" at 4029.98,924 h25 r90
  text "5V" at 2267.46,907.17 h25
  text "GND" at 2387.46,907.17 h25
  text "VIN" at 2559.46,907.17 h25
  text "IOREF" at 2036.81,906.48 h25 r90
  text "RESET" at 2136.81,906.48 h25 r90
  text "3V3" at 2236.81,906.48 h25 r90
  text "DAC0" at 4125.98,900 h25 r90
  text "DAC1" at 4225.98,900 h25 r90
  text "CANRX" at 4325.98,900 h25 r90
  text "CANTX" at 4420.98,900 h25 r90

## Dimensions
4724.41,2834.65 to 4724.41,748.03 on Mechanical 2
787.4,748.03 to 4724.41,748.03 on Mechanical 2